# Altium PCB extension.PcbDoc (part 1 of 3)
Units mm, origin at the board's own origin, x right, y up, seen from the top; angles counter-clockwise.
Board outline 156 x 120 mm, 4 copper layers (Top Copper, Supply, GND, Bot Copper), stack 1.56 mm thick; 231 components, 147 nets, 660 pads, 234 vias.
Unrouted connection lines stored in the file: 5.
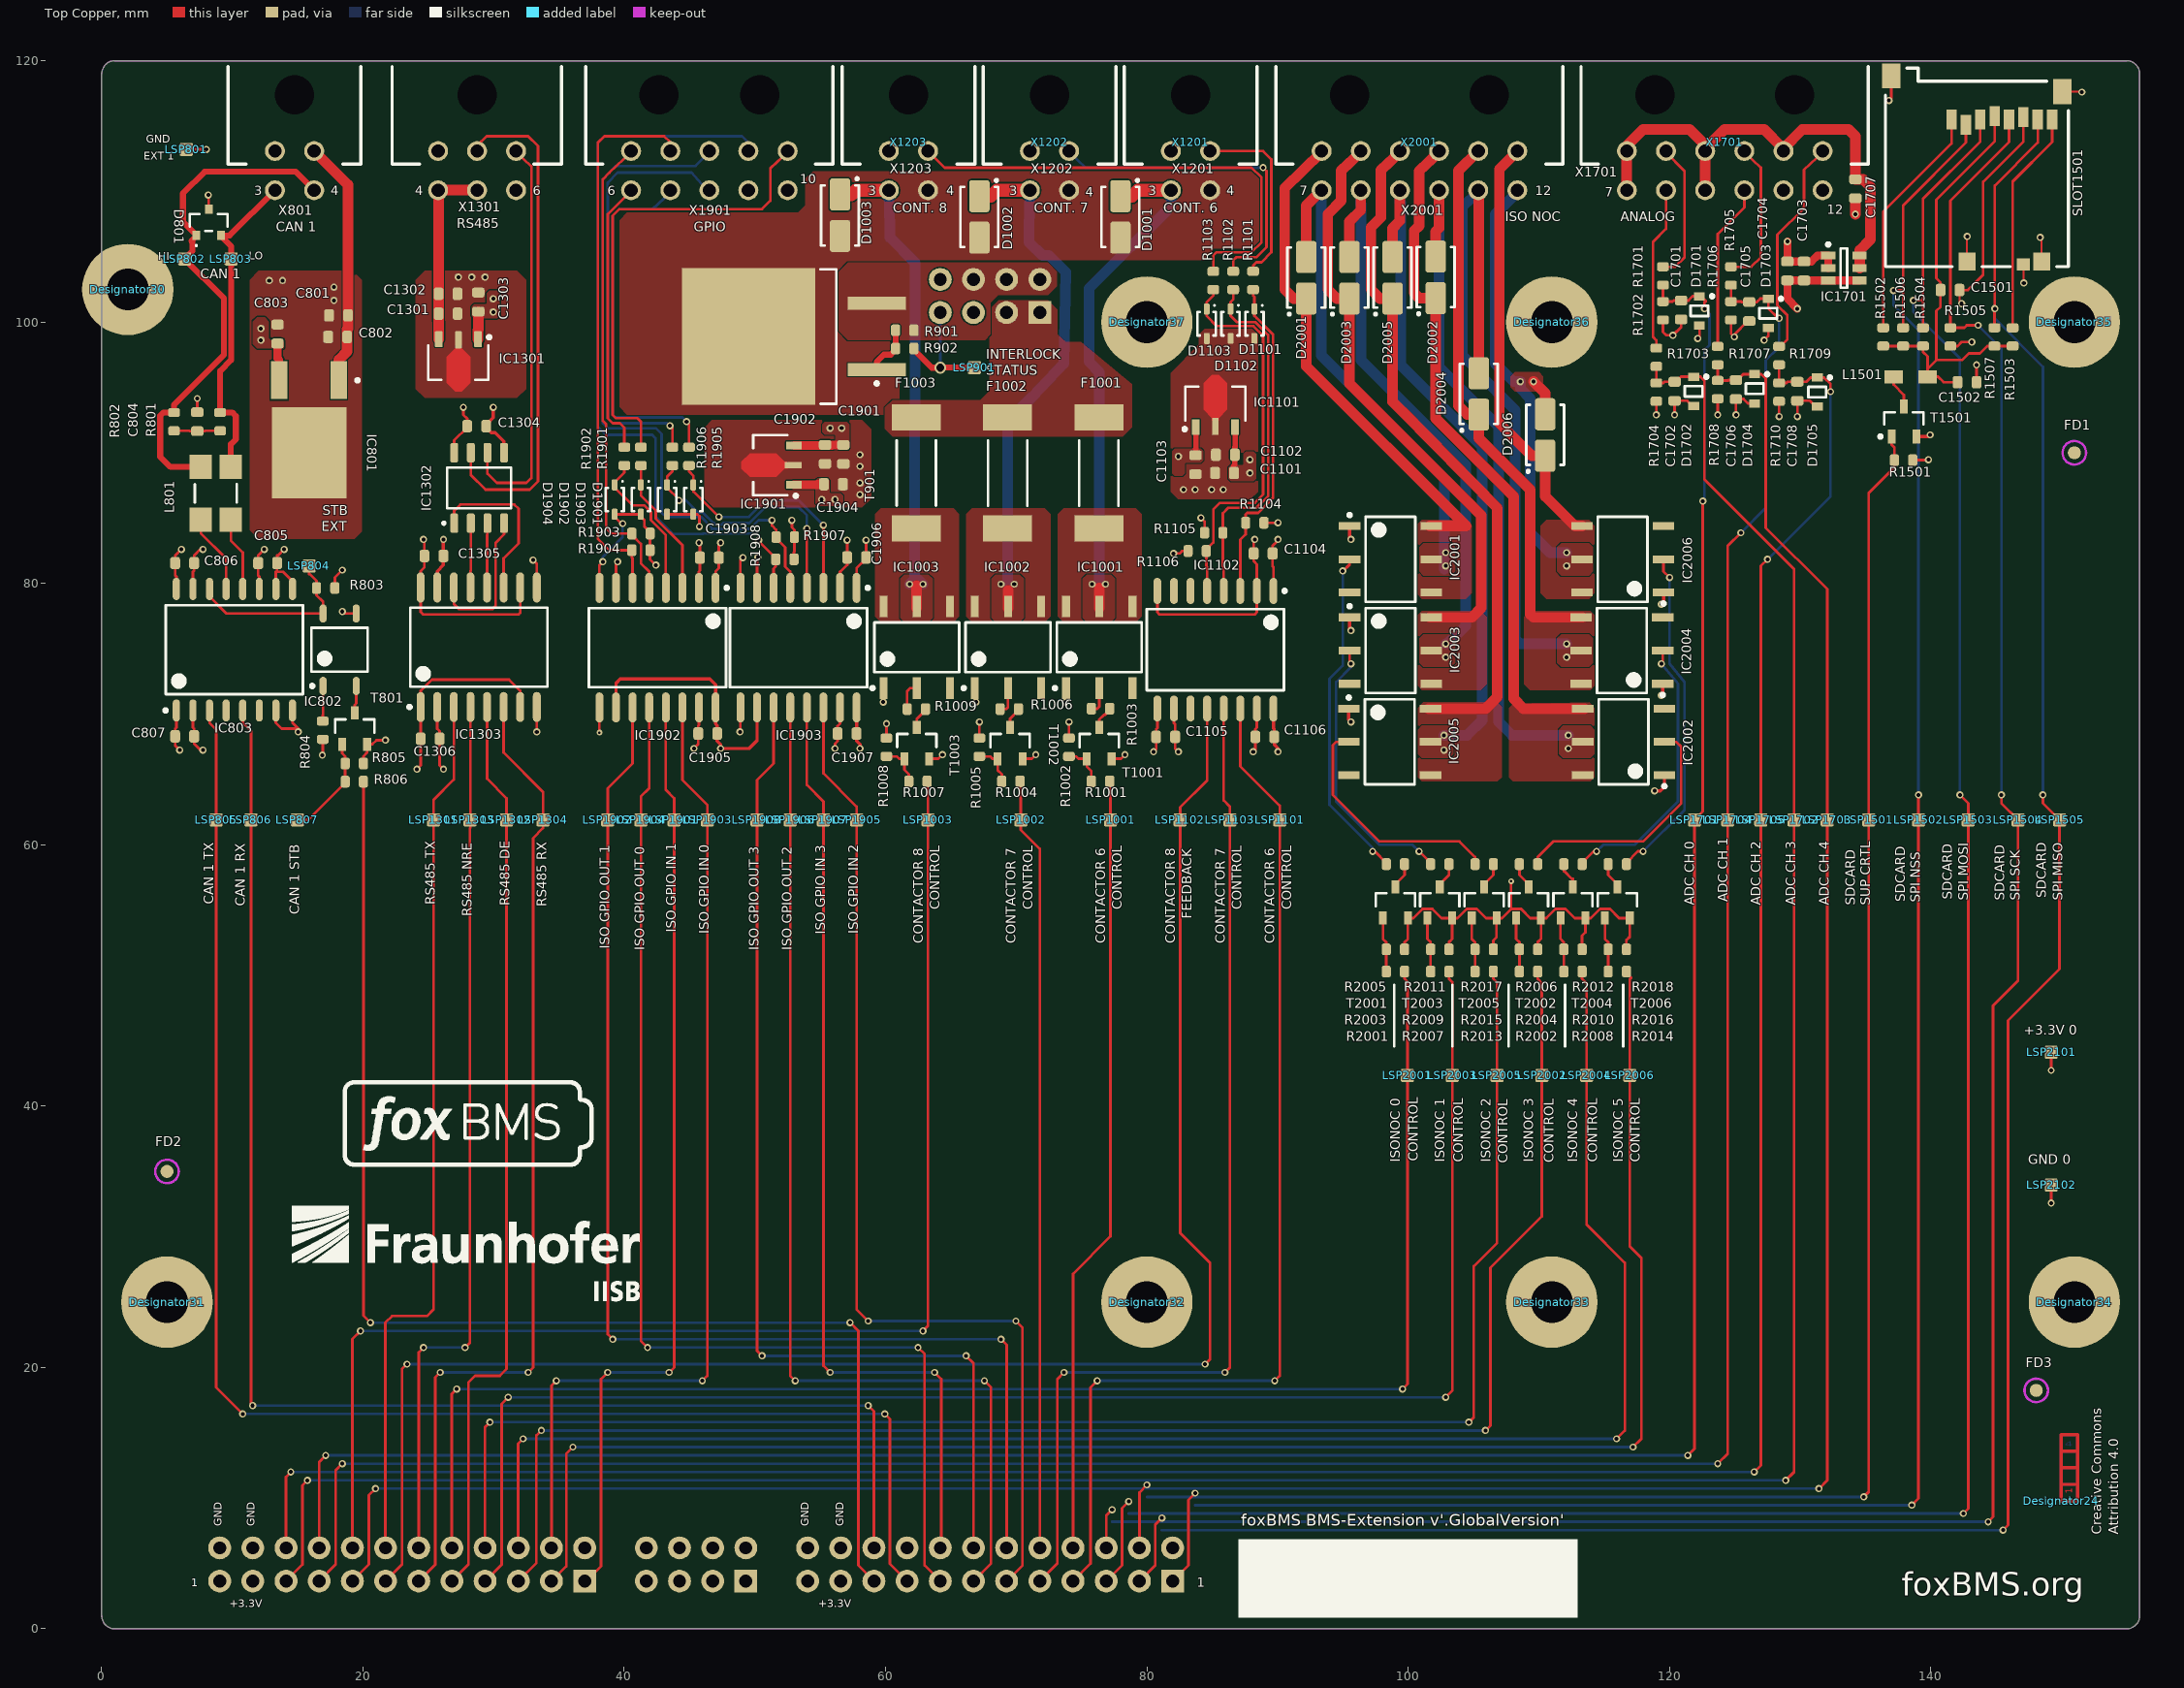
[diagram p0: Top Copper view]
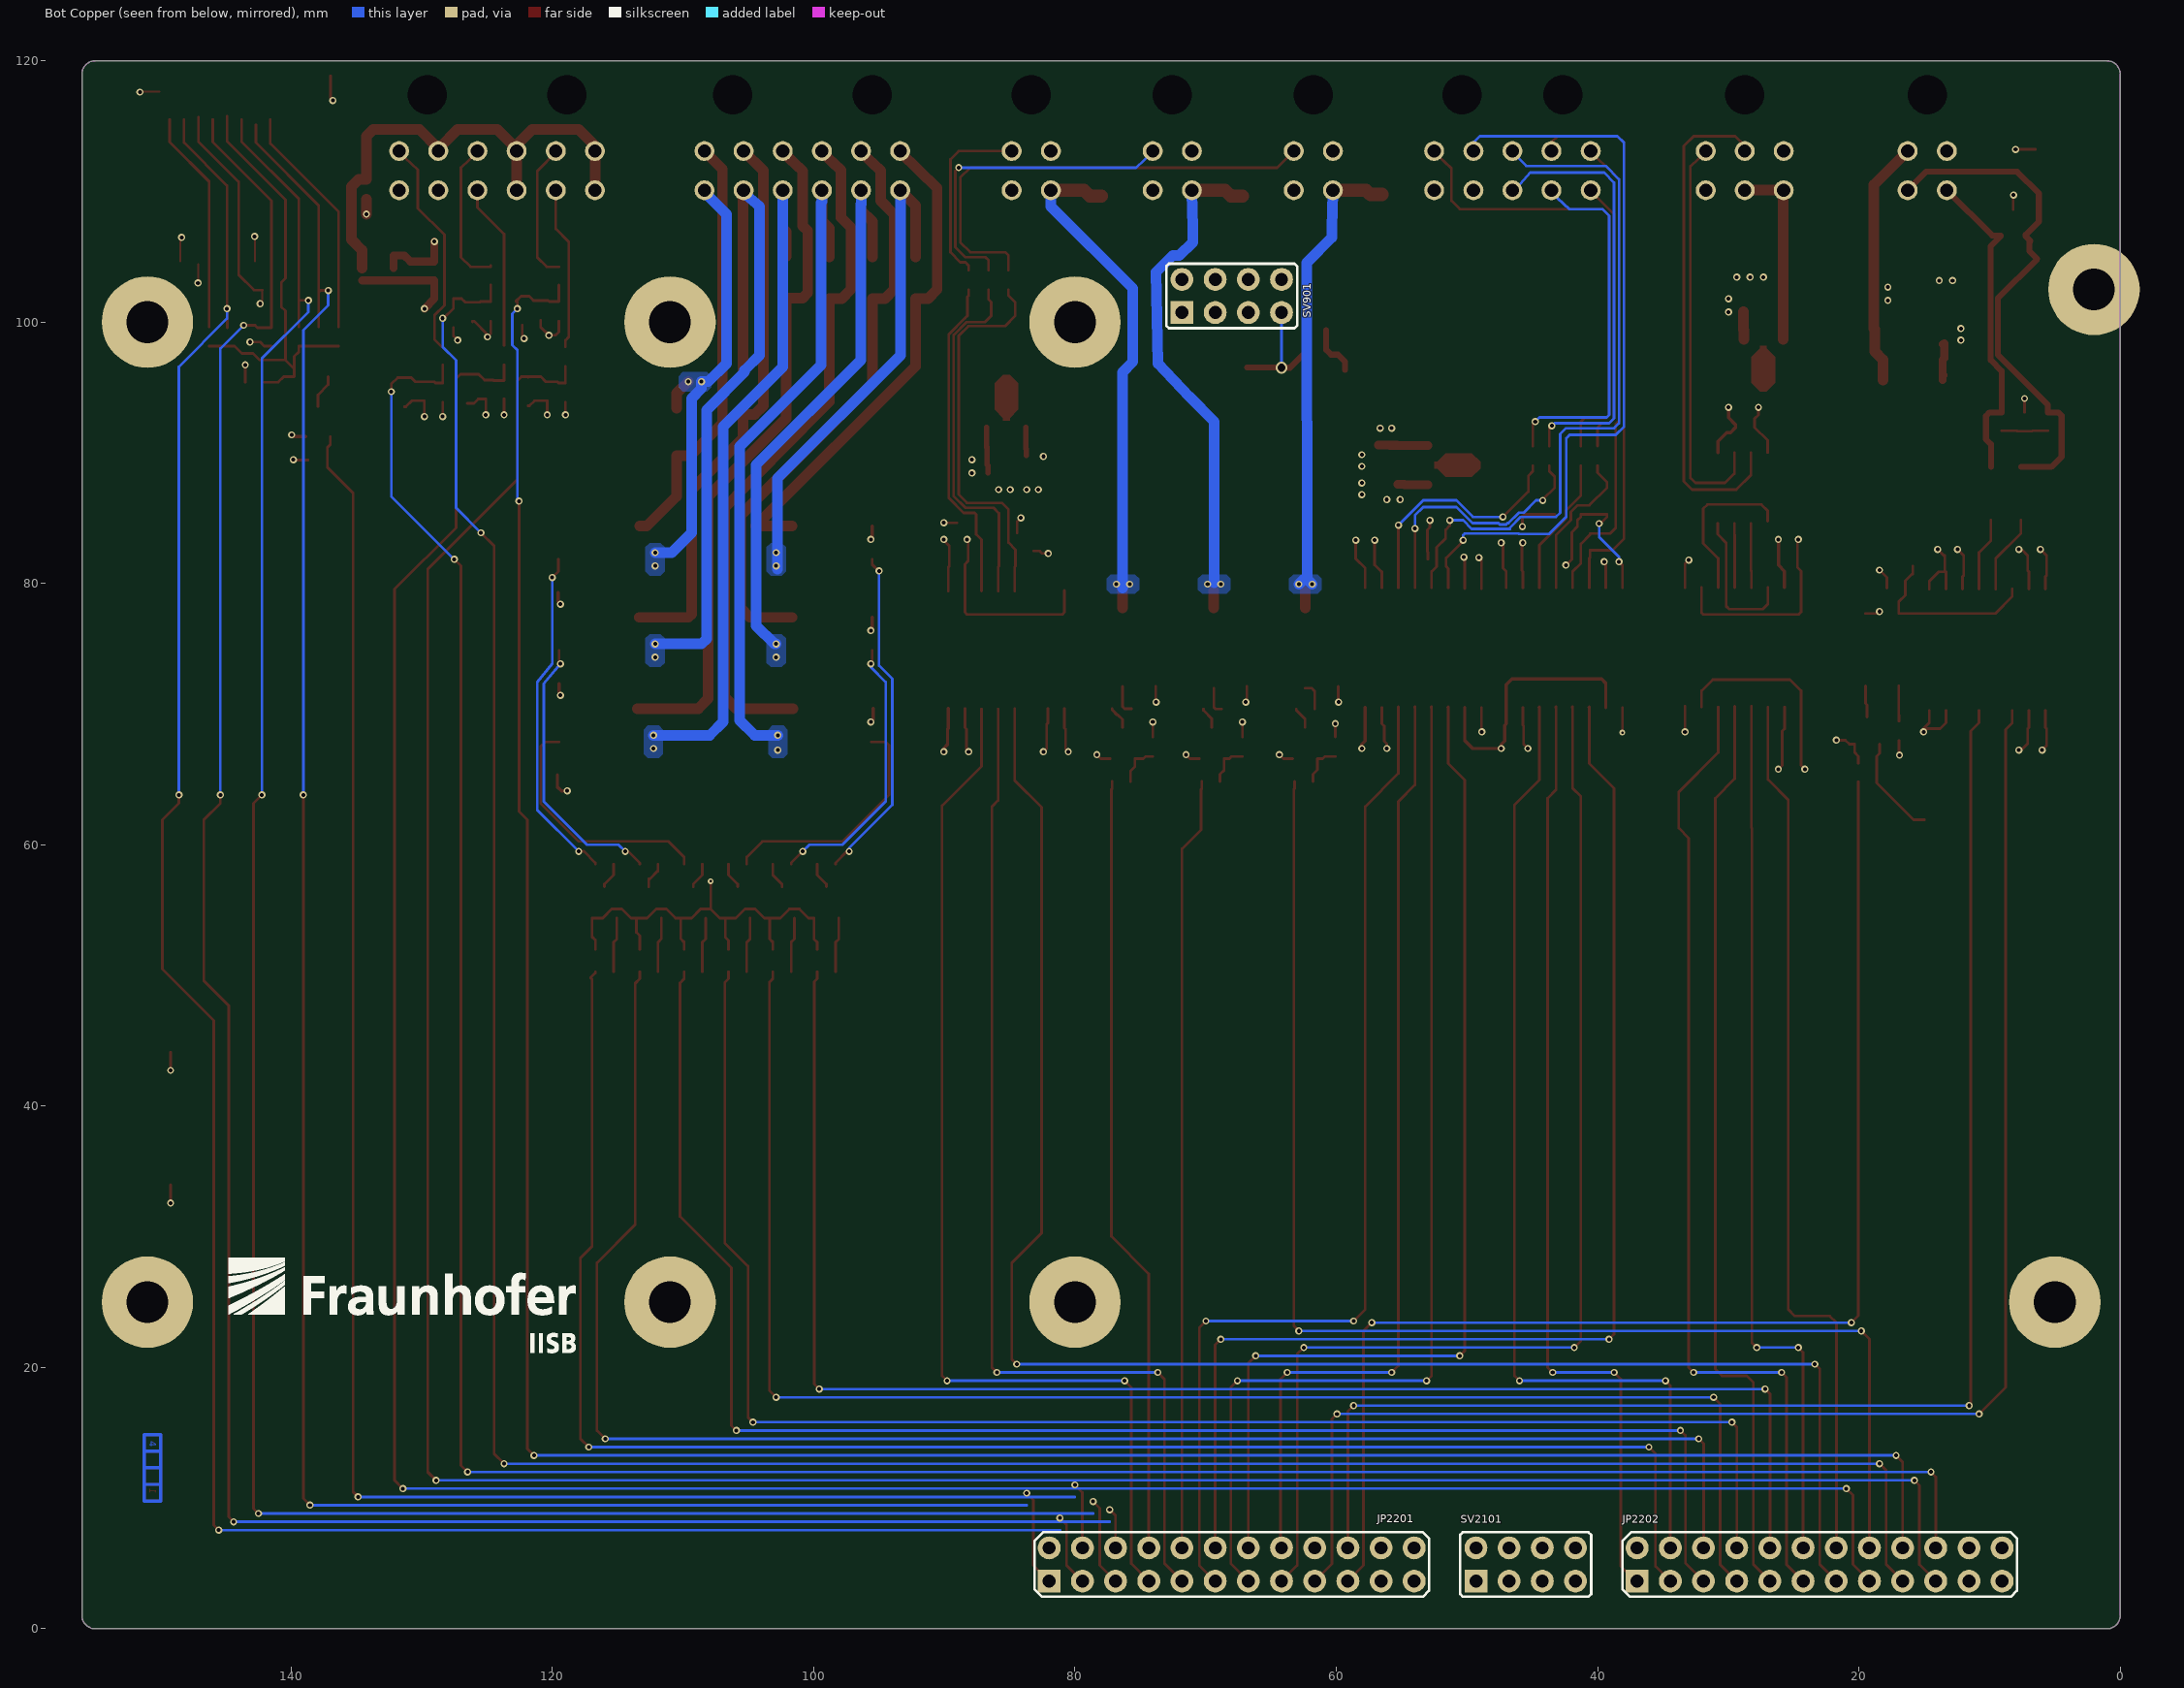
[diagram p1: Bot Copper view, seen from below]
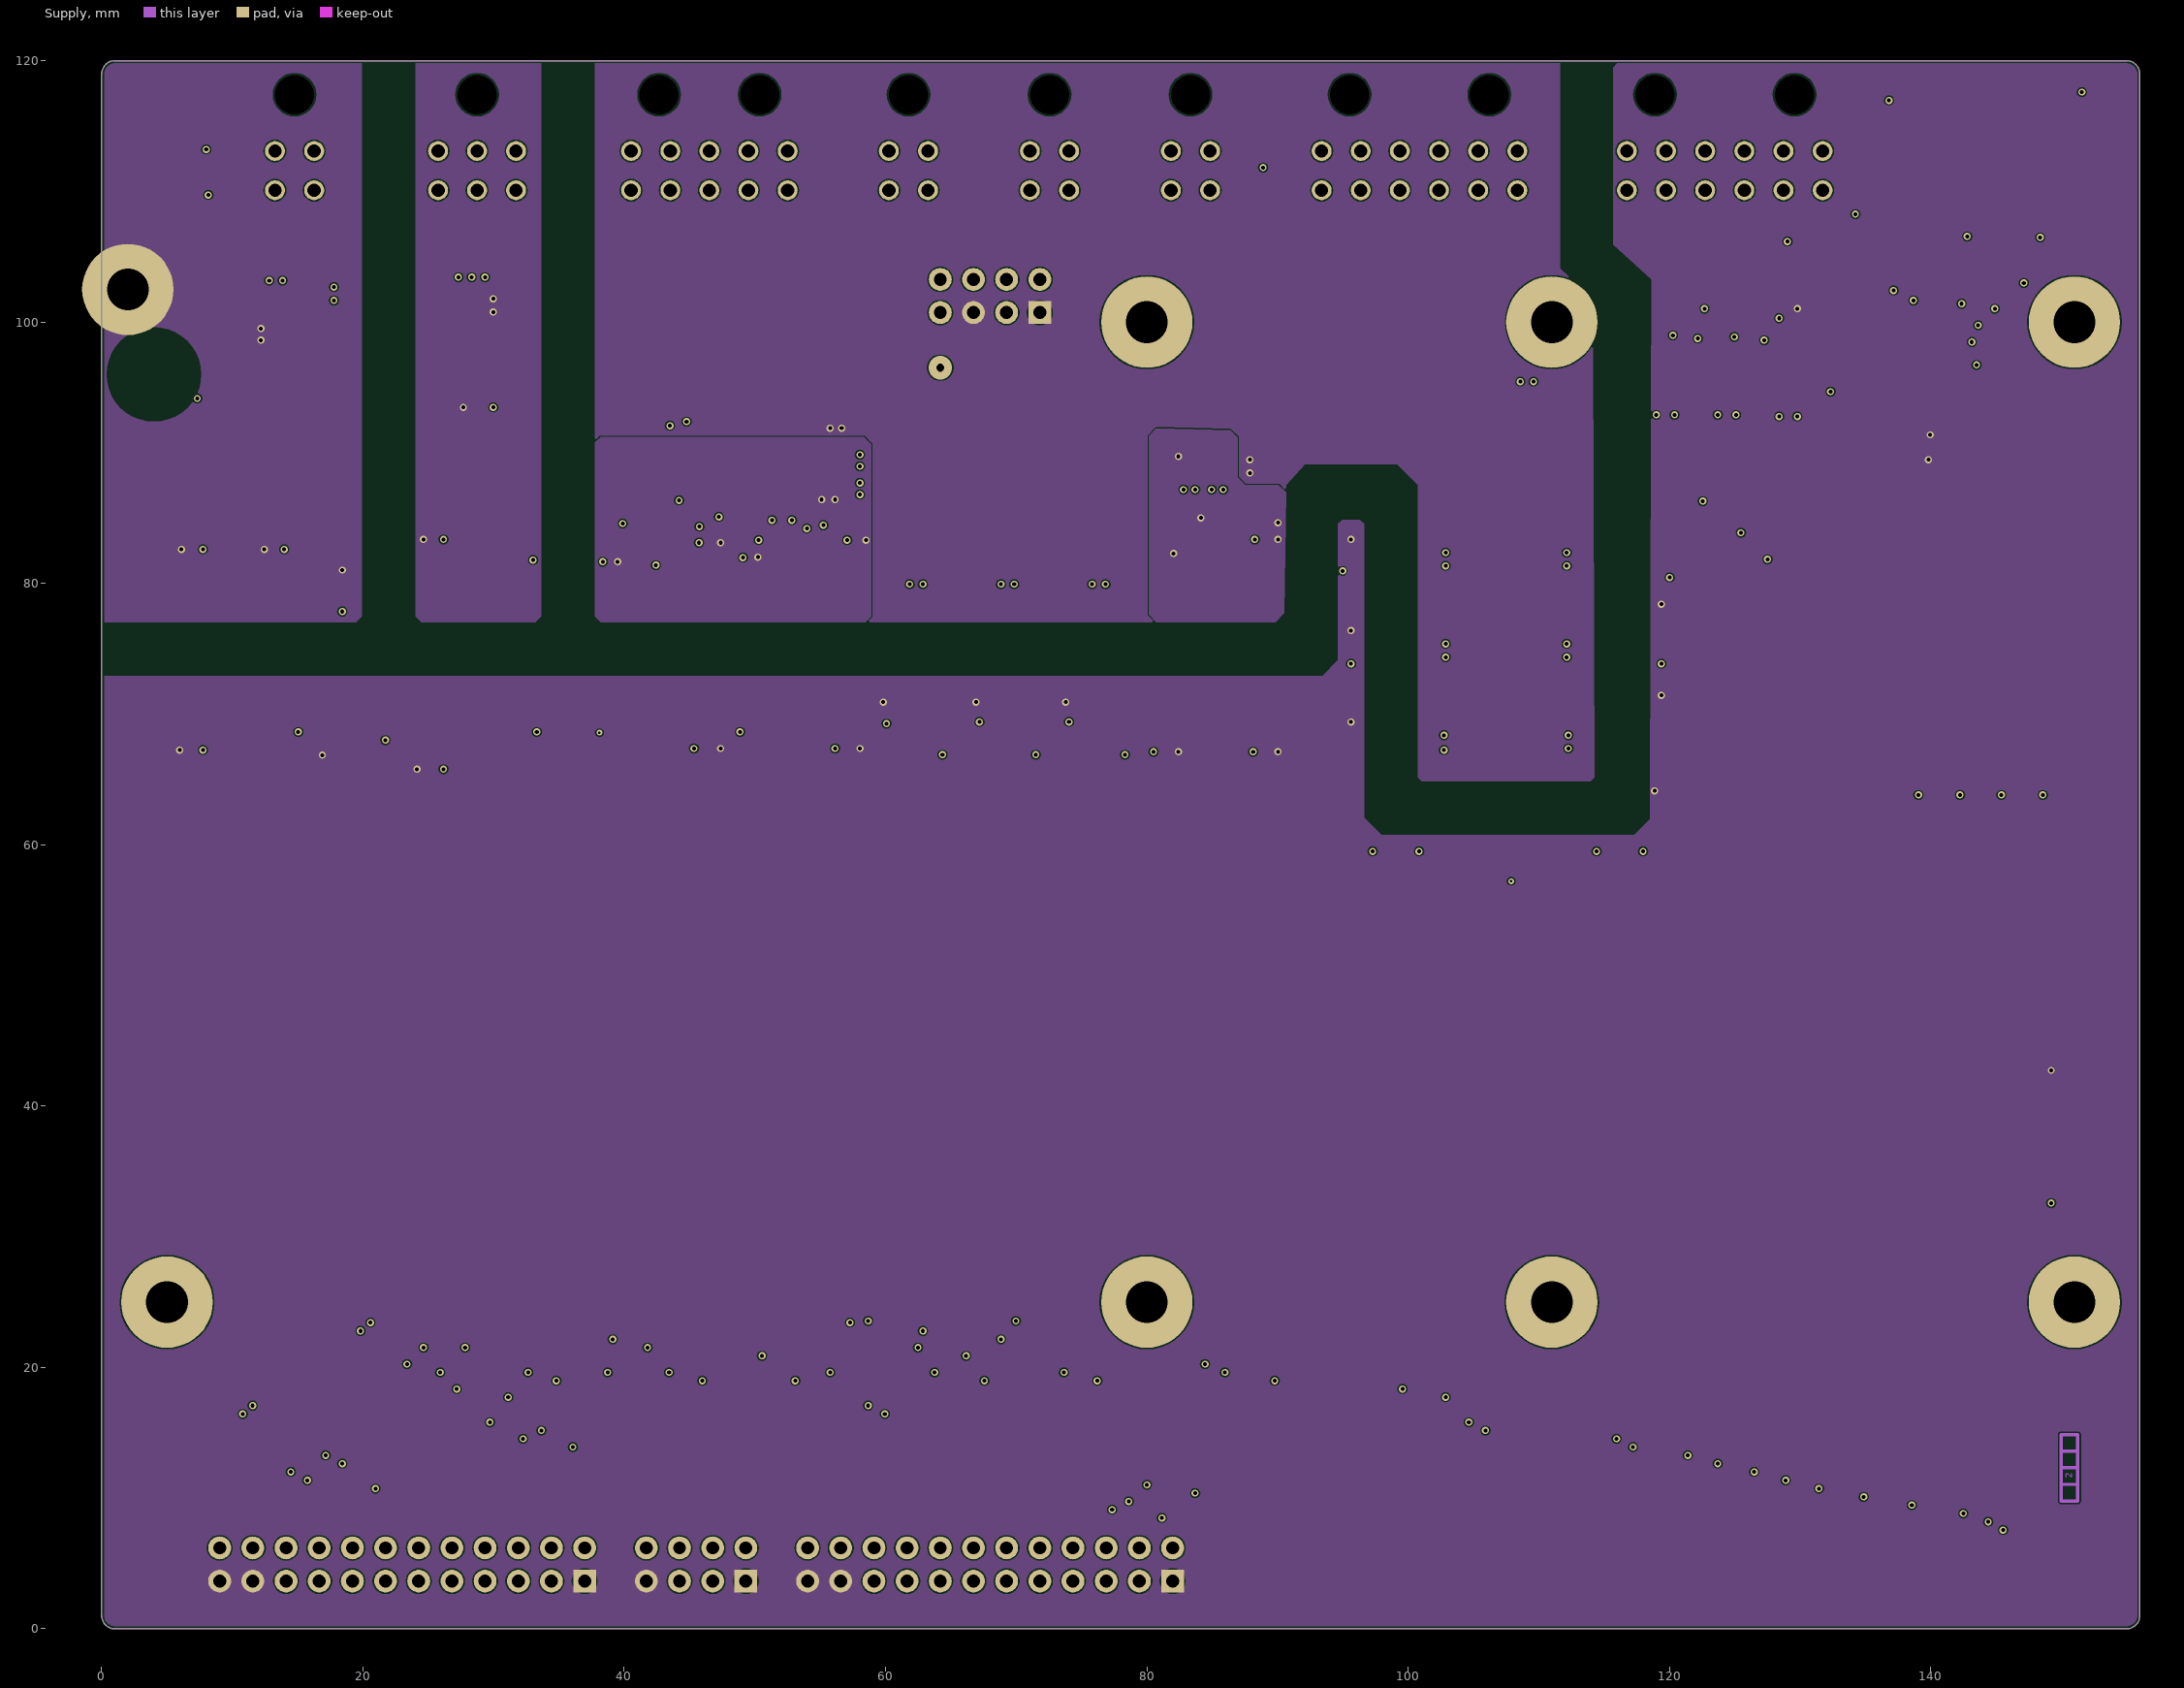
[diagram p2: Supply]
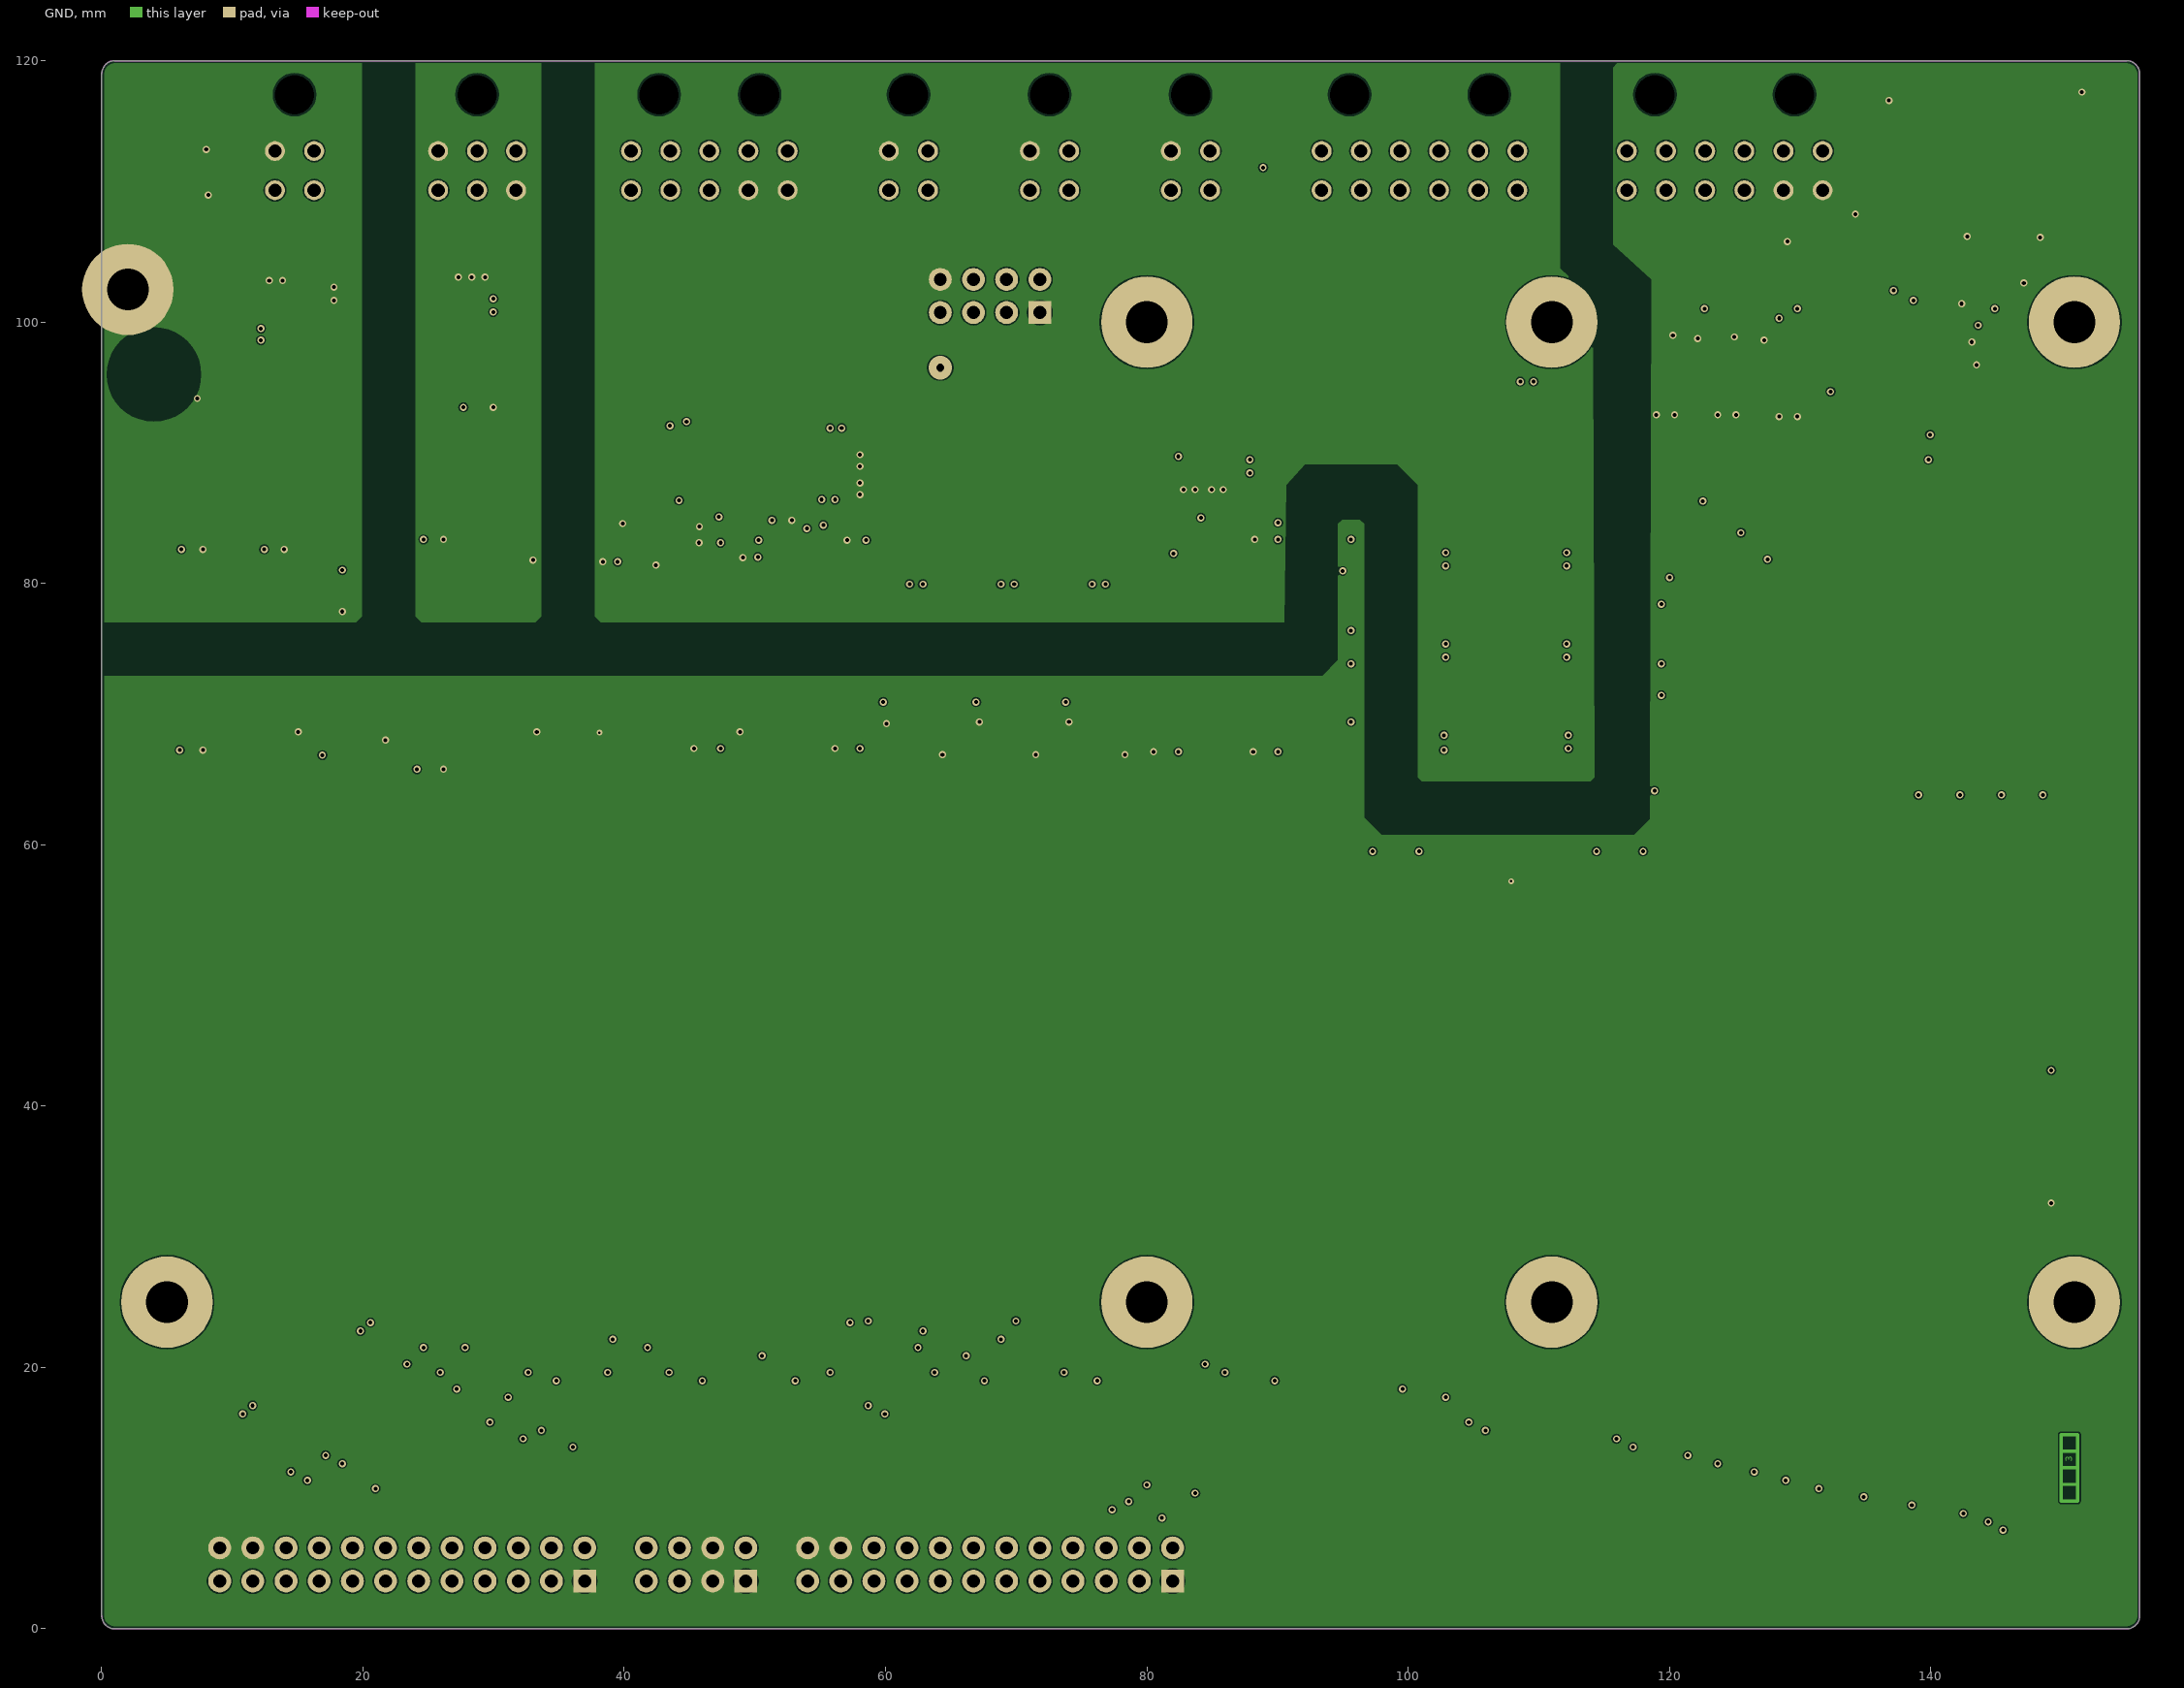
[diagram p3: GND]

## Layer stack, top to bottom
Top Solder: solder mask 0.015, Solder Resist, Dk 3.5
Top Copper: signal copper 0.035
Dielectric 1: prepreg 0.36, FR-4, Dk 4.6
Supply: signal copper 0.035
Dielectric 2: core 0.7, FR-4, Dk 4.6
GND: signal copper 0.035
Dielectric 3: prepreg 0.36, FR-4, Dk 4.6
Bot Copper: signal copper 0.035
Bottom Solder: solder mask 0.015, Solder Resist, Dk 3.5

## Board outline
0,1 0,119 cw(c1,119) 1,120 155,120 cw(c155,119) 156,119 156,1 cw(c155,1) 155,0 1,0 cw(c1,1)
